# Altium PCB FOC_DRV8323.PcbDoc
Units mil, origin at the board's own origin, x right, y up, seen from the top; angles counter-clockwise.
Board outline 1338.58 x 1181.1 mil, 4 copper layers (Top Layer, GND, Sign, Bottom Layer), stack 23.756 mil thick; 71 components, 71 nets, 322 pads, 0 vias.
Unrouted connection lines stored in the file: 191.
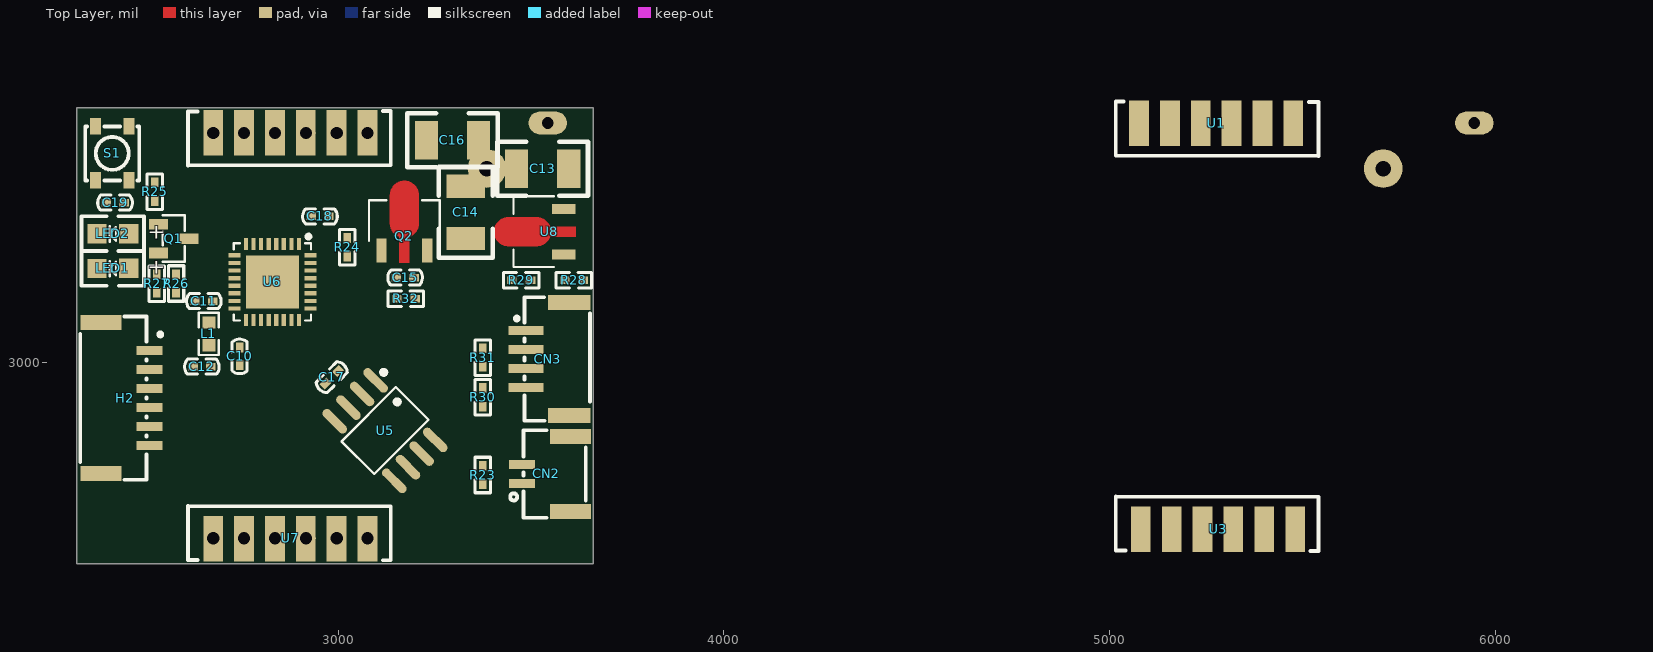
[diagram p0: Top Layer view]
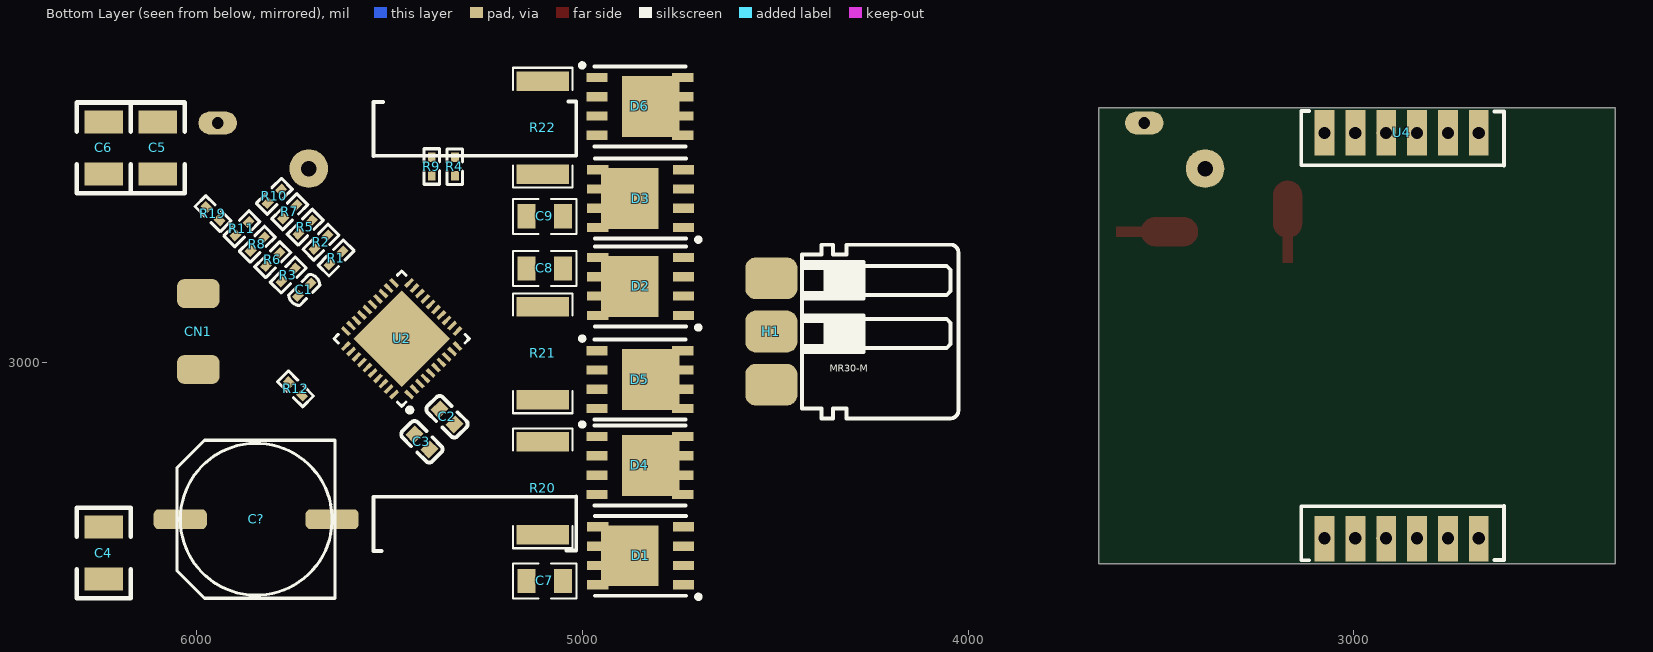
[diagram p1: Bottom Layer view, seen from below]

## Layer stack, top to bottom
Top Solder: solder mask 0.4, Solder Resist, Dk 3.5
Top Layer: signal copper 1.4
Dielectric 2: prepreg 2.8, PP-006, Dk 4.1
GND: signal copper 1.378
Dielectric 1: dielectric 12.6, FR-4, Dk 4.8
Sign: signal copper 1.378
Dielectric 3: prepreg 2.8, PP-006, Dk 4.1
Bottom Layer: signal copper 1.4
Bottom Solder: solder mask 0.4, Solder Resist, Dk 3.5

## Board outline
2322.83,2480.32 3661.42,2480.32 3661.42,3661.42 2322.83,3661.42

## Design rules (kind name [scope] priority, off if disabled: settings)
Clearance [All] p1: gap=6 ignorepadtopadclearanceinfootprint=FALSE except(0: Arc-Hole Track-Hole SMDPad-Hole THPad-Hole Via-Hole Fill-Hole Poly-Hole Region-Hole Text-Hole; 8: Arc-Fill Arc-Poly Arc-Region Track-Fill Track-Poly Track-Region SMDPad-Fill SMDPad-Poly SMDPad-Region THPad-Fill THPad-Poly THPad-Region Via-Fill Via-Poly Via-Region Fill-Fill Fill-Poly Fill-Region Poly-Poly Poly-Region Region-Region)
DiffPairsRouting [All] p1: maxlimit=10 minlimit=10 mostfreqgap=10 toplayer_minwidth=15 toplayer_maxwidth=15 toplayer_prefwidth=15 midlayer1_minwidth=15 midlayer1_maxwidth=15 midlayer1_prefwidth=15 midlayer2_minwidth=15 midlayer2_maxwidth=15 midlayer2_prefwidth=15 bottomlayer_minwidth=15 bottomlayer_maxwidth=15 bottomlayer_prefwidth=15 maxuncoupledlength=500
HoleToHoleClearance [All] p1: gap=4 allowstackedmicrovias=TRUE
MinimumSolderMaskSliver [All] p1: minsoldermaskwidth=0
PlaneClearance [All] p1: clearance=8
PlaneConnect [All] p1: planeconnectstyle=Direct reliefexpansion=20 reliefentries=4 reliefconductorwidth=10 reliefairgap=10
PolygonConnect [All] p1: connectstyle=Direct reliefconductorwidth=10 reliefentries=4 polygonreliefangle="90 Angle" airgapwidth=10
RoutingVias [All] p1: holewidth=12 width=18 viastyle="Through Hole" minholewidth=10 minwidth=18 maxholewidth=28 maxwidth=50
SilkToSilkClearance [All] p1: silktosilkclearance=0
SilkToSolderMaskClearance [IsPad] p1: minsilkscreentomaskgap=0 clearancetoexposedcopper=TRUE
SolderMaskExpansion [All] p1: expansion=4 istentingtop=FALSE
Width [All] p1: maxlimit=14 minlimit=6 preferedwidth=10
23 further rules are at their usual default settings.

## Classes and differential pairs
component class FOC_STM32G431: C10 C11 C12 C13 C14 C15 C16 C17 C18 C19 CN2 CN3 H2 L1 LED1 LED2 Q1 Q2 R23 R24 R25 R26 R27 R28 R29 R30 R31 R32 S1 U4 U5 U6 U7 U8
component class FOC_DRV8323: C1 C2 C3 C4 C5 C6 C7 C8 C9 C? CN1 D1 D2 D3 D4 D5 D6 H1 R1 R2 R3 R4 R5 R6 R7 R8 R9 R10 R11 R12 R19 R20 R21 R22 U1 U2 U3
differential pair CAN: +CAN_P -CAN_N

## Components (designator, comment, footprint, x,y, rotation, side; value= is the part's Value field where it differs from the comment)
C1 "100nF" c0402 5705,3205 r315 bottom
C2 "1uF" C0603 5847.81,3233.43 r225 bottom
C3 "47nF" C0603 5912.81,3168.43 r225 bottom
C4 "10uF" 1210 6240,2575 r270 bottom
C5 "10uF" 1210 6100,3490 r90 bottom
C6 "10uF" 1210 6240,3490 r90 bottom
C7 "10uF" C0805 5097.24,2435 r180 bottom
C8 "10uF" C0805 5097.24,3245 r180 bottom
C9 "10uF" C0805 5097.24,3380 r180 bottom
C10 "100nF" c0402 2745,2995 r90 top
C11 "100nF" c0402 2630,3160 r0 top
C12 "100nF" c0402 2625,2990 r0 top
C13 "10uF" 1210 3462.79,3503.03 r0 top
C14 "10uF" 1210 3330.86,3457.95 r270 top
C15 "1uF" c0402 3151.84,3221.26 r0 top
C16 "10uF" 1210 3363.93,3577.59 r180 top
C17 "100nF" c0402 2998.97,2978.89 r225 top
C18 "100nF" c0402 2975,3380 r180 top
C19 "100nF" c0402 2400,3415 r0 top
C? "铝电解电容" C10X10 5845,2595 r180 bottom value=47uF
CN1 "XT30_1" XT30卧式焊盘 5995,3081.57 r0 bottom
CN2 "卧式CAN" "GH1.25 2P 卧式" 3539.44,2712.31 r90 top
CN3 "卧式STLINK" CONN-SMD_4P-P1.25_GH1.25-4P 3543.21,3010.24 r90 top
D1 "NTMFS5C670" pg-tdson-8 4957.83,2450.34 r90 bottom
D2 "NTMFS5C670" pg-tdson-8 4957.83,3148.34 r90 bottom
D3 "NTMFS5C670" pg-tdson-8 4957.83,3376.01 r90 bottom
D4 "NTMFS5C670" pg-tdson-8 4741.46,2784.33 r270 bottom
D5 "NTMFS5C670" pg-tdson-8 4741.46,3007 r270 bottom
D6 "NTMFS5C670" pg-tdson-8 4741.46,3715 r270 bottom
H1 "MR30-M" MR30 4510,3081.57 r90 bottom
H2 "卧式GH1.25 6PIN" CONN-SMD_6P-P1.25_XYECONN_XY-GH1.25-6A61 2447.99,2909.13 r270 top
L1 "1008屏蔽电感" R0603 2706.01,1710.81 r90 top
LED1 "LED" led0805 2457.3,3245.2 r180 top
LED2 "LED" led0805 2457.3,3335.2 r180 top
Q1 "SS8050" SOT-23-3_L2.9-W1.3-P1.90-LS2.4-BR 2793.35,3167.49 r180 top
Q2 "AMS1117-3.3V_C5120796" SOT-89-3_L4.5-W2.5-P1.50-LS4.2-BR 3171.84,3366.26 r270 top
R1 "0" R0402 5620.92,3289.08 r315 bottom
R2 "0" R0402 5694.08,3295.92 r135 bottom
R3 "0" R0402 5779.08,3210.92 r135 bottom
R4 "200k" R0402 5330,3485 r90 bottom
R5 "0" R0402 5735,3335 r135 bottom
R6 "0" R0402 5819.08,3250.92 r135 bottom
R7 "0" R0402 5775,3375 r135 bottom
R8 "0" R0402 5859.08,3290.92 r135 bottom
R9 "0" R0402 5390,3533.2 r270 bottom
R10 "0" R0402 5815,3415 r135 bottom
R11 "0" R0402 5899.08,3330.92 r135 bottom
R12 "200k" R0402 5760,2950 r225 bottom
R19 "0" R0402 5940,3370 r45 bottom
R20 "0.004" R2512 5102.39,2675 r270 bottom
R21 "0.004" R2512 5102.39,3025 r90 bottom
R22 "0.004" R2512 5102.39,3610 r270 bottom
R23 "120Ω" R0402 3374.9,2733.77 r270 top
R24 "10K" R0402 3023.61,3324.05 r270 top
R25 "10K" R0402 2525,3420 r90 top
R26 "2KΩ" R0402 2580,3230 r270 top
R27 "2K" R0402 2530,3181.8 r90 top
R28 "10K" R0402 3587.23,3214.29 r0 top
R29 "1K" R0402 3450.43,3214.29 r0 top
R30 "10KΩ" R0402 3374.9,2886.8 r90 top
R31 "10KΩ" R0402 3374.9,2990 r90 top
R32 "0" R0402 3151.84,3166.26 r0 top
S1 "SW" KEY_SMD 2414.68,3543.31 r270 top
U1 "邮票孔6P加大" PCBComponent_1___pad 5278.11,3607.05 r90 top locked
U2 "DRV8323HRTAR" QFN-40_L6.0-W6.0-P0.50-BL-EP4.5 5460,3055 r135 bottom
U3 "邮票孔6P加大" PCBComponent_1___pad 5278.11,2583.43 r270 top locked
U4 "邮票孔6P加大" "PCBComponent_1 - duplicate" 2874.02,3582.68 r90 bottom
U5 "SN65HVD1050DR" SOIC-8_L4.9-W3.9-P1.27-LS6.0-BL 3121.64,2824.77 r225 top
U6 "STM32G431KBU3" UFQFPN-32_L5.0-W5.0-P0.50-BL-EP3.5 2830,3214.27 r180 top
U7 "邮票孔6P加大" "PCBComponent_1 - duplicate" 2874.02,2559.06 r270 top locked
U8 "78L05-MS" SOT-89-3_L4.5-W2.5-P1.50-LS4.2-BR 3509.98,3340.29 r0 top

## Footprints (in the part's own frame and the unit in brackets; to place one, negate y for a bottom-side part, rotate by r counter-clockwise, add the part's x,y. Pads: shape width x height; smd on the part's side, far side on the other; paste and mask are expansions set on the pad)
1210 [mil]
  rect 60x100 smd: 1(0,0) 2(135,0)
  silkscreen extent -50,-70 185,70, body extent 4,-49 130,49, height 30
C10X10 [mm]
  rrect50% 3.5x1.3 smd: 1(-5,0) 2(5,0)
  silkscreen extent -5.2,-5.2 5.2,5.2, body extent -5.77,-5.12 5.83,5.18, height 10.21
c0402 [mil]
  rect 25x20 smd: 1(-1,0) 2(45,0)
  silkscreen extent -23,-19 67,20, body extent 2,-10 42,10, height 20
C0603 [mm]
  rect 0.8x0.9 smd: 1(14.929,2.234) 2(16.33,2.234)
  silkscreen extent 14.22,1.52 17.02,2.95, body extent 14.82,1.84 16.42,2.64, height 0.78
C0805 [mm]
  rect 1.2x1.6 smd: 1(-1.2,0) 2(1.2,0)
  silkscreen extent -2.1,-1.15 2.1,1.15, body extent -1.46,-0.72 1.54,0.68, height 0.93
CONN-SMD_4P-P1.25_GH1.25-4P [mm]
  rect 0.6x2.3 smd mask+0.051: 1(1.875,1.425) 2(0.625,1.425) 3(-0.625,1.425) 4(-1.875,1.425)
  rect 1x2.8 smd mask+0.051: 5(-3.725,-1.425) 6(3.725,-1.425)
  silkscreen extent -4.06,-2.8 4.06,2.15, body extent -4.07,-2.4 4.19,2.15, height 4.13
CONN-SMD_6P-P1.25_XYECONN_XY-GH1.25-6A61 [mm]
  rect 0.6x1.7 smd paste+0 mask+0.05: 1(-3.125,1.6) 2(-1.875,1.6) 3(-0.625,1.6) 4(0.625,1.6) 5(1.875,1.6) 6(3.125,1.6)
  rect 1x2.7 smd paste+0 mask+0.05: 7(4.975,-1.6) 8(-4.975,-1.6)
  silkscreen extent -5.38,-2.95 5.38,2.44, body extent -5.38,-2.55 5.39,2.3, height 4.34
"GH1.25 2P 卧式" [mm]
  rect 0.6x1.7 smd mask+0.051: 1(-0.625,1.602) 2(0.625,1.602)
  rect 1x2.7 smd mask+0.051: 3(2.475,-1.602) 4(-2.475,-1.598)
  silkscreen extent -2.88,-2.6 2.88,2.37, body extent -2.88,-2.51 2.88,2.05, height 4.13
KEY_SMD [mm]
  rect 1.1x0.7 smd: 1(-1.775,-1.1) 1(1.775,-1.1) 2(-1.775,1.1) 2(1.775,1.1)
  silkscreen extent -1.78,-1.78 1.78,1.78
led0805 [mil] "1/8W"
  rect 50x50 smd: 1(0,0) 2(82.3,0.2)
  silkscreen extent -40,-45 122,45, body extent 2,-25 80,25, height 20
MR30 [mm]
  rrect50% 2.75x3.429 smd: 1(3.5,0) 2(0,0) 3(-3.5,0)
  silkscreen extent -5.72,-12.31 5.72,-2.02, body extent -5.95,-12.12 5.95,1.28, height 2.45
"PCBComponent_1 - duplicate" [mm]
  round 1.3 hole 0.8 paste+0 mask+0.102: 1(0.337,5.146) 2(0.337,3.114) 3(0.337,1.082) 4(0.337,-0.95) 5(0.337,-2.982) 6(0.337,-5.014)
  rect 3x1.3 smd far side paste+0 mask+0.102: 1(0.37,5.143) 2(0.37,3.103) 3(0.37,1.073) 4(0.37,-0.957) 5(0.37,-2.987) 6(0.37,-5.017)
  rect 3x1.3 smd paste+0 mask+0.102: 1(0.37,5.143) 2(0.37,3.103) 3(0.37,1.073) 4(0.37,-0.957) 5(0.37,-2.987) 6(0.37,-5.017)
  silkscreen extent -1.79,-6.67 1.79,6.67
PCBComponent_1___pad [mm]
  rect 3x1.3 smd paste+0 mask+0.102: 1(0.37,5.143) 2(0.37,3.103) 3(0.37,1.073) 4(0.37,-0.957) 5(0.37,-2.987) 6(0.37,-5.017)
  silkscreen extent -1.79,-6.67 1.79,6.67
pg-tdson-8 [mm]
  rect 0.61x1.4 smd: 1(3.175,-5.588) 2(-0.635,0.044) 2(0.635,0.044) 2(1.905,0.044) 2(3.175,0.044) 3(-0.635,-5.588) 3(0.635,-5.588) 3(1.905,-5.588)
  rect 4x3.81 smd: 2(1.27,-2.056)
  silkscreen extent -1.55,-6.7 3.9,0.23, body extent -1.43,-5.73 3.97,0.42, height 1.01
QFN-40_L6.0-W6.0-P0.50-BL-EP4.5 [mm]
  rect 0.25x0.7 smd paste-100 mask+0.051: 1(-2.25,-2.659) 2(-1.75,-2.659) 3(-1.25,-2.659) 4(-0.75,-2.659) 5(-0.25,-2.659) 6(0.25,-2.659) 7(0.75,-2.659) 8(1.25,-2.659) 9(1.75,-2.659) 10(2.25,-2.659) 21(2.25,3.241) 22(1.75,3.241) 23(1.25,3.241) 24(0.75,3.241) 25(0.25,3.241) 26(-0.25,3.241) 27(-0.75,3.241) 28(-1.25,3.241) 29(-1.75,3.241) 30(-2.25,3.241)
  rect 0.7x0.25 smd paste-100 mask+0.051: 11(2.95,-1.958) 12(2.95,-1.459) 13(2.95,-0.958) 14(2.95,-0.459) 15(2.95,0.042) 16(2.95,0.541) 17(2.95,1.042) 18(2.95,1.541) 19(2.95,2.041) 20(2.95,2.541) 31(-2.95,2.541) 32(-2.95,2.041) 33(-2.95,1.541) 34(-2.95,1.042) 35(-2.95,0.541) 36(-2.95,0.042) 37(-2.95,-0.459) 38(-2.95,-0.958) 39(-2.95,-1.459) 40(-2.95,-1.958)
  rect 4.5x4.5 smd paste-100 mask+0.051: 41(0,0.292)
  silkscreen extent -3.15,-3.56 3.15,3.44
R0402 [mil] "1/16W"
  rect 25x20 smd: 1(0,0) 2(48.2,0)
  silkscreen extent -22,-20 70,20, body extent 5,-10 44,10, height 14
R0603 [mil]
  rect 31.75x34.02 smd paste-3937.01 mask+2: 1(1334.87,41.01) 2(1394.19,41.01)
  silkscreen extent 1310,15 1419,67, body extent 1334,24 1396,56, height 18
R2512 [mil]
  rect 50.49x136.06 smd paste-3937.01 mask+2: 1(120.72,0) 2(-120.72,0)
  silkscreen extent -155,-77 155,77
SOIC-8_L4.9-W3.9-P1.27-LS6.0-BL [mm]
  oval 0.588x2.045 smd mask+0.051: 1(-1.905,-2.772) 2(-0.635,-2.772) 3(0.635,-2.772) 4(1.905,-2.772) 5(1.905,2.772) 6(0.635,2.772) 7(-0.635,2.772) 8(-1.905,2.772)
  silkscreen extent -2.8,-2.92 2.53,1.52, body extent -2.45,-3 2.45,3, height 1.75
SOT-23-3_L2.9-W1.3-P1.90-LS2.4-BR [mm]
  rect 1.25x0.7 smd: 1(6.562,-4.885) 2(6.562,-2.985) 3(4.562,-3.935)
  silkscreen extent 4.84,-5.46 6.29,-2.41, body extent 4.19,-5.39 6.99,-2.49, height 1.3
SOT-89-3_L4.5-W2.5-P1.50-LS4.2-BR [mil]
  rect 62.01x26.46 smd paste+0 mask+2: 1(74.84,-59.04) 3(74.84,59.07)
  round 1 smd: 2(0,0)
  Top Layer region: -68.45,37.4 4.55,37.4 6.3,37.36 8.05,37.24 9.79,37.03 11.52,36.74 13.24,36.38 14.93,35.93 16.61,35.4 18.25,34.8 19.87,34.12 21.45,33.36 23,32.53 24.5,31.63 25.96,30.66 27.38,29.63 28.74,28.53 30.05,27.36 31.3,26.13 32.5,24.85 33.63,23.51 34.7,22.12 35.71,20.69 36.64,19.2 37.51,17.68 38.3,16.11 39.02,12.99 105.84,12.99 105.84,-12.99 39.02,-12.99 38.3,-16.12 37.51,-17.68 36.64,-19.21 35.71,-20.69 34.7,-22.13 33.63,-23.52 32.5,-24.85 31.3,-26.14 30.05,-27.36 28.74,-28.53 27.38,-29.63 25.96,-30.67 24.5,-31.64 23,-32.54 21.45,-33.37 19.87,-34.12 18.25,-34.8 16.61,-35.41 14.93,-35.93 13.24,-36.38 11.52,-36.75 9.79,-37.03 8.05,-37.24 6.3,-37.36 4.55,-37.4 -68.45,-37.4 -70.2,-37.36 -71.95,-37.24 -73.7,-37.03 -75.43,-36.75 -77.14,-36.38 -78.84,-35.93 -80.51,-35.41 -82.15,-34.8 -83.77,-34.12 -85.35,-33.37 -86.9,-32.54 -88.4,-31.64 -89.86,-30.67 -91.28,-29.63 -92.64,-28.53 -93.95,-27.36 -95.21,-26.14 -96.4,-24.85 -97.54,-23.52 -98.61,-22.13 -99.61,-20.69 -100.55,-19.21 -101.41,-17.68 -102.2,-16.12 -102.92,-14.52 -103.56,-12.88 -104.13,-11.22 -104.62,-9.54 -105.02,-7.83 -105.35,-6.11 -105.6,-4.37 -105.76,-2.63 -105.84,-0.88 -105.84,0.88 -105.76,2.63 -105.6,4.37 -105.35,6.11 -105.02,7.83 -104.62,9.54 -104.13,11.22 -103.56,12.88 -102.92,14.51 -102.2,16.11 -101.41,17.68 -100.55,19.2 -99.61,20.69 -98.61,22.12 -97.54,23.51 -96.4,24.85 -95.21,26.13 -93.95,27.36 -92.64,28.53 -91.28,29.63 -89.86,30.66 -88.4,31.63 -86.9,32.53 -85.35,33.36 -83.77,34.12 -82.15,34.8 -80.51,35.4 -78.84,35.93 -77.14,36.38 -75.43,36.74 -73.7,37.03 -71.95,37.24 -70.2,37.36
  silkscreen extent -55,-92 49,92
UFQFPN-32_L5.0-W5.0-P0.50-BL-EP3.5 [mm]
  rect 0.28x0.8 smd paste-100 mask+0.051: 1(-1.75,-2.392) 2(-1.25,-2.392) 3(-0.75,-2.392) 4(-0.25,-2.392) 5(0.25,-2.392) 6(0.75,-2.392) 7(1.25,-2.392) 8(1.75,-2.392) 17(1.75,2.609) 18(1.25,2.608) 19(0.75,2.609) 20(0.25,2.608) 21(-0.25,2.608) 22(-0.75,2.608) 23(-1.25,2.608) 24(-1.75,2.608)
  rect 0.8x0.28 smd paste-100 mask+0.051: 9(2.5,-1.642) 10(2.5,-1.142) 11(2.5,-0.642) 12(2.5,-0.142) 13(2.5,0.358) 14(2.5,0.858) 15(2.5,1.358) 16(2.5,1.858) 25(-2.5,1.858) 26(-2.5,1.358) 27(-2.5,0.858) 28(-2.5,0.358) 29(-2.5,-0.142) 30(-2.5,-0.642) 31(-2.5,-1.142) 32(-2.5,-1.642)
  rect 3.5x3.5 smd paste-100 mask+0.051: 33(0,0.108)
  silkscreen extent -2.54,-3.01 2.54,2.65
XT30卧式焊盘 [mil]
  rrect50% 110x75 smd: 1(0,98.43) 2(0,-98.43)

## Part data
C1 C2 C3 C10 C11 C12 C18 C19: library part CC0201JRX7R9BB101
C4 C5 C6 C7 C8 C9 C13 C14 C16: library part 1210贴片电容, "1210贴片电容"
C15 C17: library part 0402贴片电容, "贴片电容0402"
C?: library part "SMD 10x10 铝电解电容", "SMD 10x10 铝电解电容", LatestRevisionDate=29-May-2009, LatestRevisionNote="IPC-7351 Footprint Added.", PackageDescription="Chip Capacitor", PackageReference=C0805, Published=8-Jun-2000, Publisher="Altium Limited"
D1 D2 D3 D4 D5 D6: "N沟道MOS管", ComponentLink1Description="Manufacturer Link", ComponentLink1URL=http://www.irf.com/, DatasheetVersion=PD-9.814, LatestRevisionDate=17-Jul-2002, LatestRevisionNote="Re-released for DXP Platform.", Note="Pin 2 is electrically connected to pin 4.", PackageDescription="TO, Thru-Hole, Vertical, Heatsink Mounted; 3 In-Line Leads; Pitch 2.54 mm", PackageReference=TO-220AB, PackageVersion=Feb-1997, Published=8-Jun-2000, Publisher="Altium Limited"
H1: BOM_Manufacturer=AMASS(艾迈斯), BOM_Manufacturer Part=MR30-M, BOM_Supplier=LCSC, BOM_Supplier Part=C99873, Contributor=LCEDA_Lib, spicePre=H, spiceSymbolName=HDR-F-2.54_1x3
LED1 LED2: library part 0805贴片LED, "0805贴片LED"
Q1: library part 2N2222, "三极管"
R1 R2 R3 R4 R5 R6 R7 R8 R9 R10 R11 R12 R19 R24 R25 R27 R28 R29 R32: library part 2.2R, BOM_Manufacturer=UniOhm, BOM_Manufacturer Part=0603WAJ022JT5E, BOM_Supplier=LCSC, BOM_Supplier Part=C25226, nameAlias=Value(Ω), spicePre=R, spiceSymbolName=Res_0603(1/10W)_EU
R20 R21 R22: library part 0.0005, BOM_Manufacturer=RALEC(旺诠), BOM_Manufacturer Part=LR2512-23R0005J4, BOM_Supplier=LCSC, BOM_Supplier Part=C2681067, Contributor=LCSC, nameAlias="Resistance (Ohms)", spicePre=R, spiceSymbolName=LCSR2512FL500K9L
R23 R26 R30 R31: library part 0402贴片电阻, "0402贴片电阻"
S1: "开关"
U5: "CAN芯片", JLCPCB Part Class="Extended Part", LCSC Part Name=4.5V~5.5V, Manufacturer=TI(德州仪器), Operating Temperature=-40℃~+125℃, Supply Current=50mA, Add into BOM=yes, Convert to PCB=yes, Datasheet=https://www.ti.com/cn/lit/gpn/sn65hvd1050, Device=SN65HVD1050DR, Manufacturer Part=SN65HVD1050DR, Name=SN65HVD1050DR, Supplier=LCSC, Supplier Footprint=SOIC-8, Supplier Part=C14019, Supply Voltage=4.5V~5.5V, Symbol=SN65HVD1050DR, Type=收发器
CN2: LatestRevisionDate=17-Jul-2002, LatestRevisionNote="Re-released for DXP Platform.", Publisher="Altium Limited"

## Free pads (board coordinates)
  round 100 hole 40: 3(3385.83,3503.94) 3(5708.66,3503.94)
  oval 100x60 hole 30: 3(3543.31,3622.05) 3(5944.88,3622.05)

## Nets (pads, with @x,y where several pads share a name; then routed paths per layer and width w, separated by ;. In a path a pad name is that pad's centre, name@x,y a point inside that pad or via, vN(x,y) a via of type N, cw(c..) or ccw(c..) an arc to the next point about the centre after c; other vN are vias at no path point)
5V: C14.2 C15.2 C17.2 H2.1 Q2.3 U5.3 U8.1
+3.3V: C10.2 C12.2 C16.2 C18.2 CN3.1 L1.1 Q2.2 R25.1 R26.2 R27.1 R30.1 U6.1 U6.17
AGND: C1.2 R3.1 R6.1 R8.1 R11.1 R12.2 R19.1 U2.32
CAL: R12.1 U1.6 U2.31
CAL__: U4.1 U6.9
CAN_N: CN2.1 R23.2 U5.6
CAN_P: CN2.2 R23.1 U5.7
DGND: C10.1 C11.1 C12.1 C17.1 C18.1 C19.1 CN3.2 H2.2 LED1.2 LED2.2 R24.1 R29.1 R31.2 R32.2 S1.1 U5.2 U5.8 U6.14 U6.16 U6.32 U6.33
DVDD: R1.1 R2.2 R4.1 R5.2 R7.2 R9.2 R10.2 U2.33
ENABLE: R9.1 U1.5 U2.30
ENABLE__: U4.2 U6.10
FDCAN_RX: U5.4 U6.21
FDCAN_TX: U5.1 U6.22
M0_AH: U2.34 U3.1
M0_AH__: U6.18 U7.1
M0_AL: U2.35 U3.2
M0_AL__: U6.12 U7.2
M0_BH: U2.36 U3.3
M0_BH__: U6.19 U7.3
M0_BL: U2.37 U3.4
M0_BL__: U6.13 U7.4
M0_CH: U2.38 U3.5
M0_CH__: U6.20 U7.5
M0_CL: U2.39 U3.6
M0_CL__: U6.2 U7.6
M0_GH_A: D1.1 U2.6
M0_GH_B: D2.1 U2.15
M0_GH_C: D3.1 U2.16
M0_GL_A: D4.1 U2.8
M0_GL_B: D5.1 U2.13
M0_GL_C: D6.1 U2.18
M0_SH_A: D1.3 D4.2 H1.3 U2.7
M0_SH_B: D2.3 D5.2 H1.2 U2.14
M0_SH_C: D3.3 D6.2 H1.1 U2.17
M0_SNA: C4.1 C5.1 C6.1 C7.1 C8.1 C9.1 C?.2 CN1.1 pad.3@5708.66,3503.94 R19.2 R20.1 R21.1 R22.1 U2.10 U2.11 U2.20 U2.40 U2.41
M0_SOA: U1.3 U2.23
M0_SOA__: U4.4 U6.5
M0_SOB: U1.2 U2.22
M0_SOB__: U4.5 U6.6
M0_SOC: U1.1 U2.21
M0_SOC__: U4.6 U6.7
M0_SPA: D4.3 R20.2 U2.9
M0_SPB: D5.3 R21.2 U2.12
M0_SPC: D6.3 R22.2 U2.19
NetC1_1: C1.1 R1.2 U2.24
NetC2_1: C2.1 U2.3
NetC3_1: C3.1 U2.1
NetC3_2: C3.2 U2.2
NetC11_2: C11.2 L1.2 U6.15
NetC19_2: C19.2 R25.2 S1.2 U6.4
NetLED1_1: LED1.1 R27.2
NetLED2_1: LED2.1 Q1.2
NetQ1_3: Q1.3 R26.1
NetR2_1: R2.1 R3.2 U2.26
NetR5_1: R5.1 R6.2 U2.27
NetR7_1: R7.1 R8.2 U2.28
NetR10_1: R10.1 R11.2 U2.29
NetR24_2: R24.2 U6.31
nFAULT: R4.2 U1.4 U2.25
nFAULT__: U4.3 U6.11
PGND: C13.1 C14.1 C15.1 C16.1 pad.3@3385.83,3503.94 Q2.1 R32.1 U8.2
SPI_MISO: H2.5 U6.27
SPI_MOSI: H2.6 U6.28
SPI_NSS: H2.3 U6.25
SPI_SCK: H2.4 U6.26
State_LED: Q1.1 U6.29
SWCLK: CN3.3 R31.1 U6.24
SWDIO: CN3.4 R30.2 U6.23
VCC: C2.2 C4.2 C5.2 C6.2 C7.2 C8.2 C9.2 C?.1 CN1.2 D1.2 D2.2 D3.2 pad.3@5944.88,3622.05 U2.4 U2.5
VCC__: C13.2 pad.3@3543.31,3622.05 R28.2 U8.3
VCC_ADC: R28.1 R29.2 U6.8
pads on no net: CN2.3 CN2.4 CN3.5 CN3.6 H2.7 H2.8 U5.5 U6.3 U6.30

## Silkscreen, mask and mechanical layers (free items; w line width, h text height)
Mechanical 1:
  the board outline again, w10

## Text inside footprints (layer, text, board x,y; h text height)
LED1: Top Overlay "+" at 2506.3,3264.2 h40 r180
LED2: Top Overlay "+" at 2506.3,3354.2 h40 r180